# Allegro board meta_carrier_lay_rev1.brd (continued)
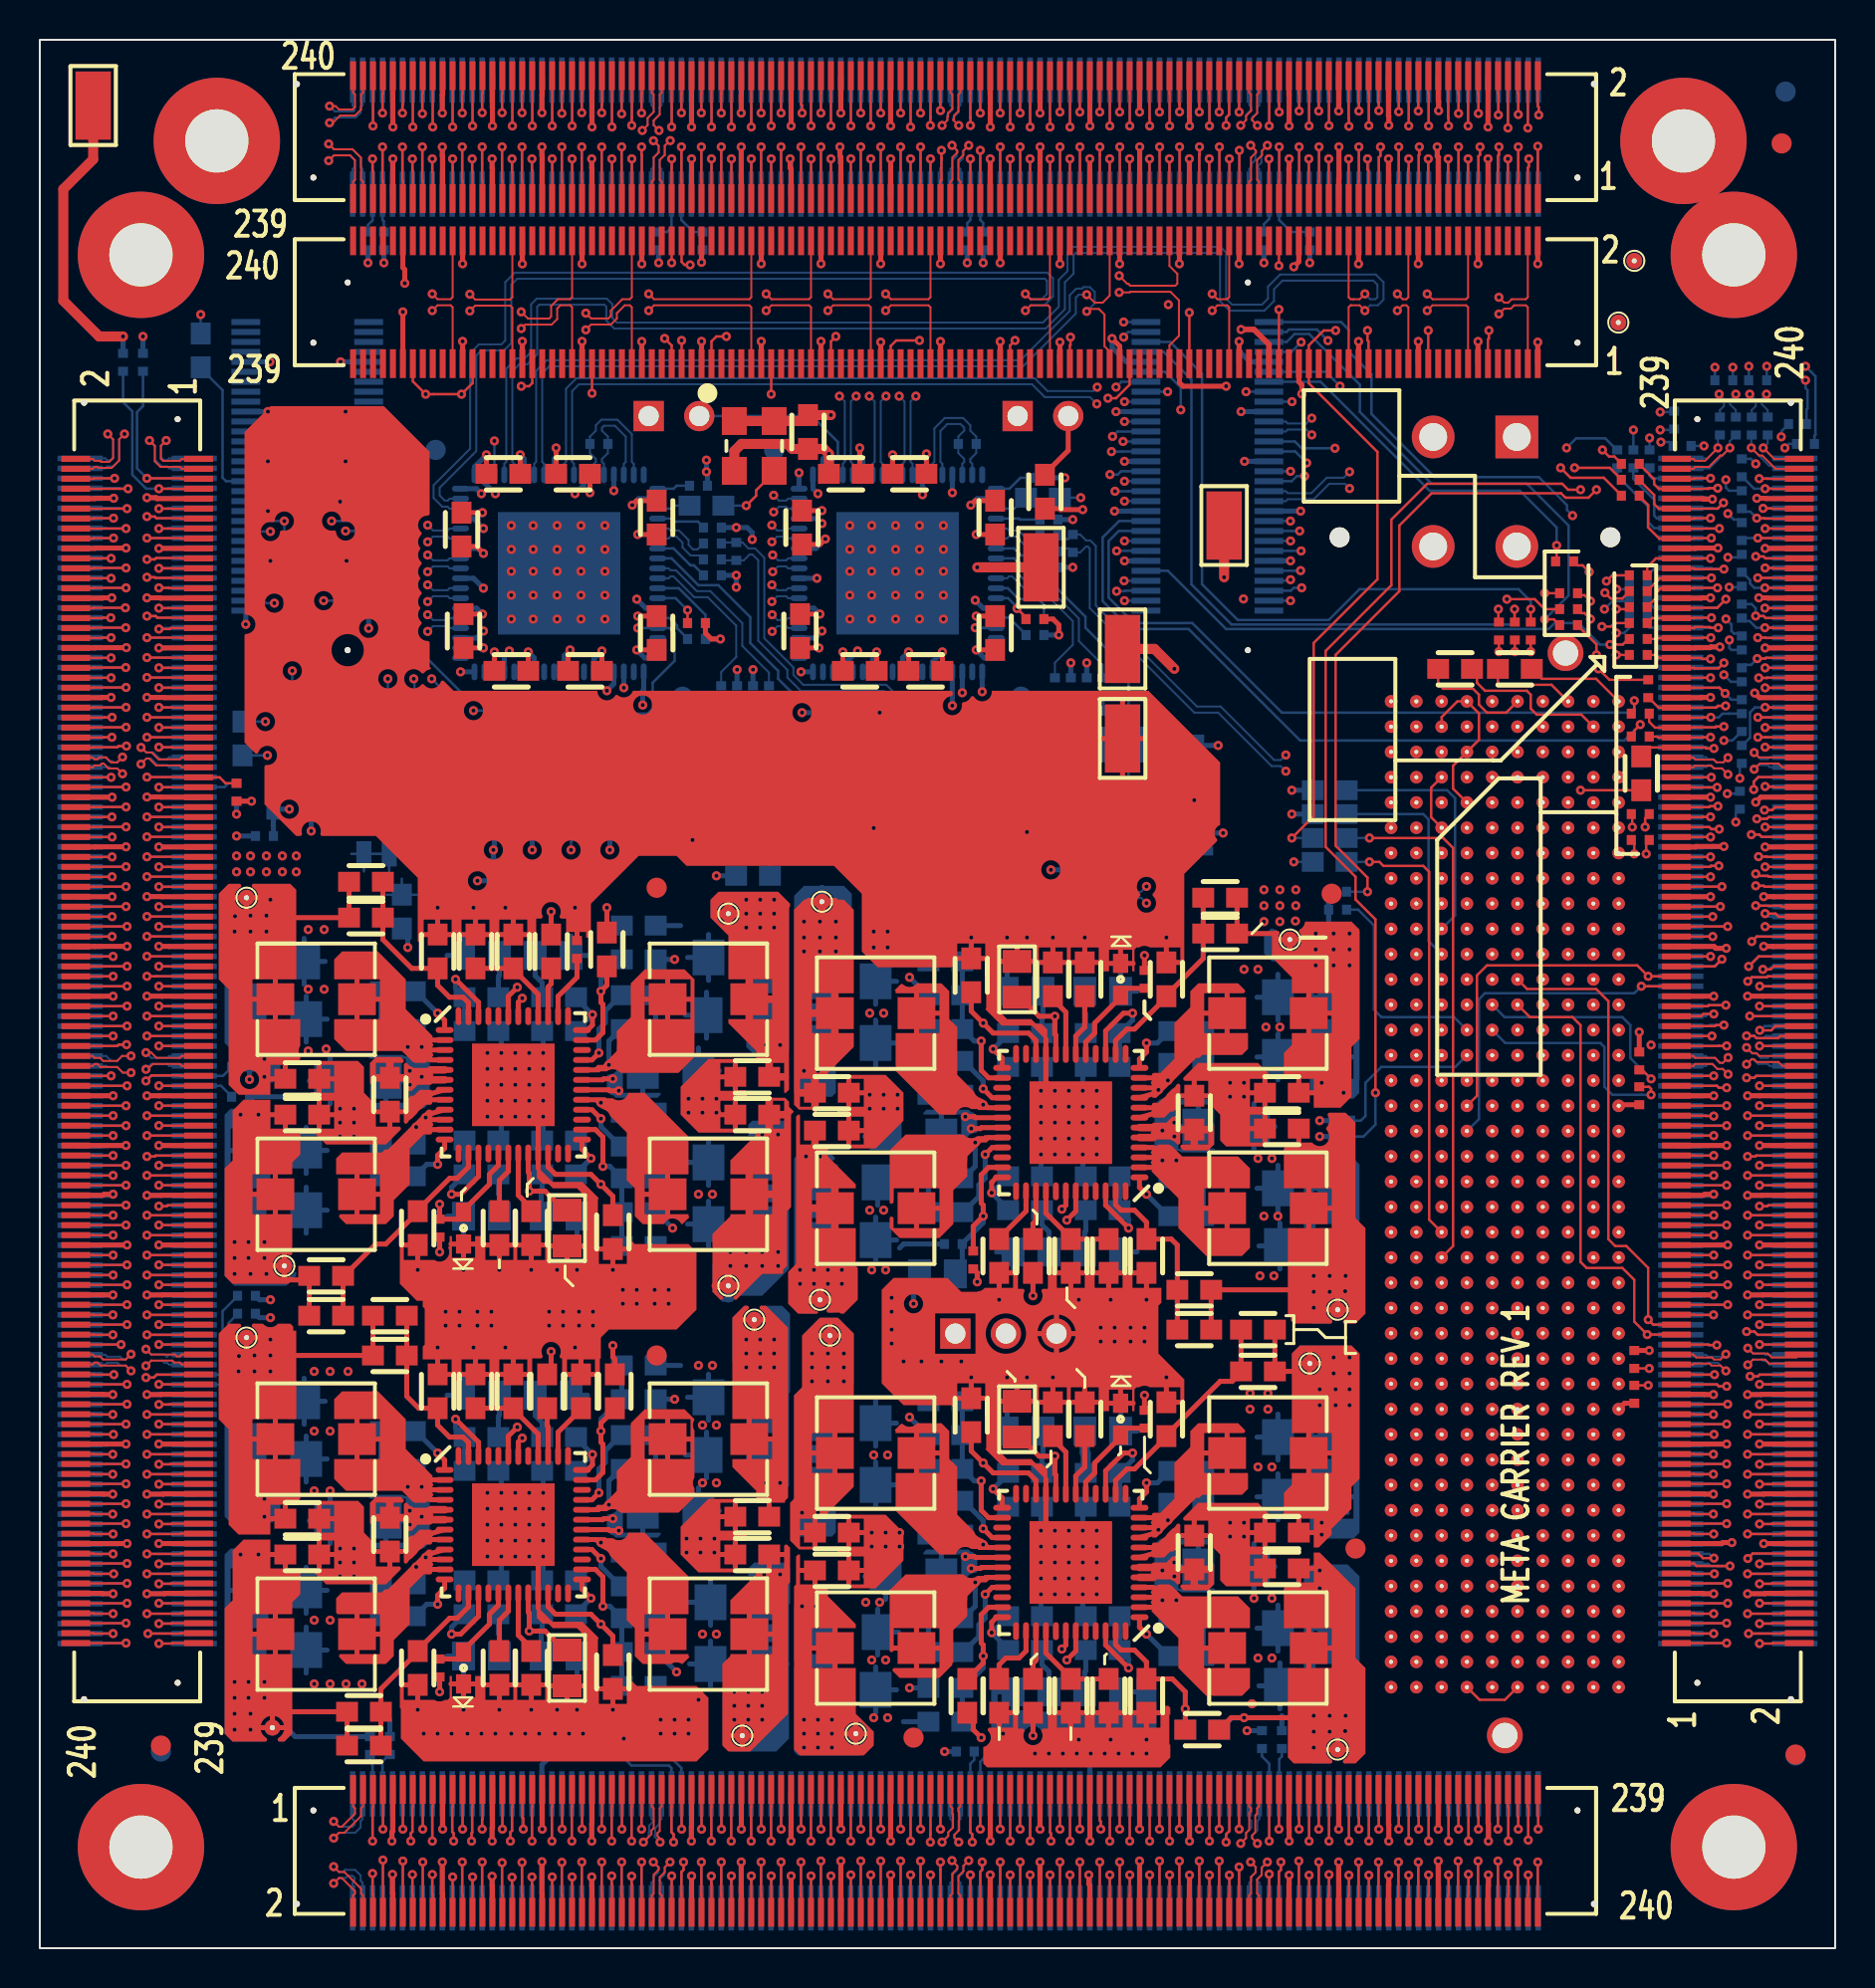
[diagram p0: board, top side]
## Nets (continued)
NO_DATA_OUT_N1: J1.216(36) J11.216(36)
NO_DATA_OUT_N2: J1.210(30) J11.210(30)
NO_DATA_OUT_N3: J1.206(26) J11.206(26)
NO_DATA_OUT_N4: J1.200(20) J11.200(20)
NO_DATA_OUT_N5: J1.196(16) J11.196(16)
NO_DATA_OUT_N6: J1.190(10) J11.190(10)
NO_DATA_OUT_N7: J1.186(6) J11.186(6)
NO_DATA_OUT_N8: J1.160(40) J11.160(40)
NO_DATA_OUT_N9: J1.156(36) J11.156(36)
NO_DATA_OUT_N10: J1.150(30) J11.150(30)
NO_DATA_OUT_N11: J1.146(26) J11.146(26)
NO_DATA_OUT_N12: J1.140(20) J11.140(20)
NO_DATA_OUT_N13: J1.136(16) J11.136(16)
NO_DATA_OUT_N14: J1.130(10) J11.130(10)
NO_DATA_OUT_N15: J1.126(6) J11.126(6)
NO_DATA_OUT_N16: J1.100(40) J11.100(40)
NO_DATA_OUT_N17: J1.96(36) J11.96(36)
NO_DATA_OUT_N18: J1.90(30) J11.90(30)
NO_DATA_OUT_N19: J1.86(26) J11.86(26)
NO_DATA_OUT_N20: J1.80(20) J11.80(20)
NO_DATA_OUT_N21: J1.76(16) J11.76(16)
NO_DATA_OUT_N22: J1.70(10) J11.70(10)
NO_DATA_OUT_N23: J1.66(6) J11.66(6)
NO_DATA_OUT_N24: J1.40 J11.40
NO_DATA_OUT_N25: J1.36 J11.36
NO_DATA_OUT_N26: J1.30 J11.30
NO_DATA_OUT_N27: J1.26 J11.26
NO_DATA_OUT_N28: J1.20 J11.20
NO_DATA_OUT_N29: J1.16 J11.16
NO_DATA_OUT_N30: J1.10 J11.10
NO_DATA_OUT_N31: J1.6 J11.6
NO_DATA_OUT_P0: J1.218(38) J11.218(38)
NO_DATA_OUT_P1: J1.214(34) J11.214(34)
NO_DATA_OUT_P2: J1.208(28) J11.208(28)
NO_DATA_OUT_P3: J1.204(24) J11.204(24)
NO_DATA_OUT_P4: J1.198(18) J11.198(18)
NO_DATA_OUT_P5: J1.194(14) J11.194(14)
NO_DATA_OUT_P6: J1.188(8) J11.188(8)
NO_DATA_OUT_P7: J1.184(4) J11.184(4)
NO_DATA_OUT_P8: J1.158(38) J11.158(38)
NO_DATA_OUT_P9: J1.154(34) J11.154(34)
NO_DATA_OUT_P10: J1.148(28) J11.148(28)
NO_DATA_OUT_P11: J1.144(24) J11.144(24)
NO_DATA_OUT_P12: J1.138(18) J11.138(18)
NO_DATA_OUT_P13: J1.134(14) J11.134(14)
NO_DATA_OUT_P14: J1.128(8) J11.128(8)
NO_DATA_OUT_P15: J1.124(4) J11.124(4)
NO_DATA_OUT_P16: J1.98(38) J11.98(38)
NO_DATA_OUT_P17: J1.94(34) J11.94(34)
NO_DATA_OUT_P18: J1.88(28) J11.88(28)
NO_DATA_OUT_P19: J1.84(24) J11.84(24)
NO_DATA_OUT_P20: J1.78(18) J11.78(18)
NO_DATA_OUT_P21: J1.74(14) J11.74(14)
NO_DATA_OUT_P22: J1.68(8) J11.68(8)
NO_DATA_OUT_P23: J1.64(4) J11.64(4)
NO_DATA_OUT_P24: J1.38 J11.38
NO_DATA_OUT_P25: J1.34 J11.34
NO_DATA_OUT_P26: J1.28 J11.28
NO_DATA_OUT_P27: J1.24 J11.24
NO_DATA_OUT_P28: J1.18 J11.18
NO_DATA_OUT_P29: J1.14 J11.14
NO_DATA_OUT_P30: J1.8 J11.8
NO_DATA_OUT_P31: J1.4 J11.4
NO_FRAME_IN_N0: J1.235(55) J11.235(55) R133.1
NO_FRAME_IN_N1: J1.175(55) J11.175(55) R98.1
NO_FRAME_IN_N2: J1.115(55) J11.115(55) R76.1
NO_FRAME_IN_N3: J1.55 J11.55 R52.1
NO_FRAME_IN_P0: J1.233(53) J11.233(53) R131.2
NO_FRAME_IN_P1: J1.173(53) J11.173(53) R97.2
NO_FRAME_IN_P2: J1.113(53) J11.113(53) R75.2
NO_FRAME_IN_P3: J1.53 J11.53 R50.2
NO_FRAME_OUT_N0: J1.236(56) J11.236(56)
NO_FRAME_OUT_N1: J1.176(56) J11.176(56)
NO_FRAME_OUT_N2: J1.116(56) J11.116(56)
NO_FRAME_OUT_N3: J1.56 J11.56
NO_FRAME_OUT_P0: J1.234(54) J11.234(54)
NO_FRAME_OUT_P1: J1.174(54) J11.174(54)
NO_FRAME_OUT_P2: J1.114(54) J11.114(54)
NO_FRAME_OUT_P3: J1.54 J11.54
NO_LCLK_IN_N0: J1.239(59) J11.239(59)
NO_LCLK_IN_N1: J1.179(59) J11.179(59)
NO_LCLK_IN_N2: J1.119(59) J11.119(59)
NO_LCLK_IN_N3: J1.59 J11.59
NO_LCLK_IN_P0: J1.237(57) J11.237(57)
NO_LCLK_IN_P1: J1.177(57) J11.177(57)
NO_LCLK_IN_P2: J1.117(57) J11.117(57)
NO_LCLK_IN_P3: J1.57 J11.57
NO_LCLK_OUT_N0: J1.240(60) J11.240(60)
NO_LCLK_OUT_N1: J1.180(60) J11.180(60)
NO_LCLK_OUT_N2: J1.120(60) J11.120(60)
NO_LCLK_OUT_N3: J1.60 J11.60
NO_LCLK_OUT_P0: J1.238(58) J11.238(58)
NO_LCLK_OUT_P1: J1.178(58) J11.178(58)
NO_LCLK_OUT_P2: J1.118(58) J11.118(58)
NO_LCLK_OUT_P3: J1.58 J11.58
NO_WAIT_RD_IN_N0: J1.226(46) J11.226(46)
NO_WAIT_RD_IN_N1: J1.166(46) J11.166(46)
NO_WAIT_RD_IN_N2: J1.106(46) J11.106(46)
NO_WAIT_RD_IN_N3: J1.46 J11.46
NO_WAIT_RD_IN_P0: J1.224(44) J11.224(44)
NO_WAIT_RD_IN_P1: J1.164(44) J11.164(44)
NO_WAIT_RD_IN_P2: J1.104(44) J11.104(44)
NO_WAIT_RD_IN_P3: J1.44 J11.44
NO_WAIT_RD_OUT_N0: J1.225(45) J11.225(45)
NO_WAIT_RD_OUT_N1: J1.165(45) J11.165(45)
NO_WAIT_RD_OUT_N2: J1.105(45) J11.105(45)
NO_WAIT_RD_OUT_N3: J1.45 J11.45
NO_WAIT_RD_OUT_P0: J1.223(43) J11.223(43)
NO_WAIT_RD_OUT_P1: J1.163(43) J11.163(43)
NO_WAIT_RD_OUT_P2: J1.103(43) J11.103(43)
NO_WAIT_RD_OUT_P3: J1.43 J11.43
NO_WAIT_WR_IN_N0: J1.230(50) J11.230(50)
NO_WAIT_WR_IN_N1: J1.170(50) J11.170(50)
NO_WAIT_WR_IN_N2: J1.110(50) J11.110(50)
NO_WAIT_WR_IN_N3: J1.50 J11.50
NO_WAIT_WR_IN_P0: J1.228(48) J11.228(48)
NO_WAIT_WR_IN_P1: J1.168(48) J11.168(48)
NO_WAIT_WR_IN_P2: J1.108(48) J11.108(48)
NO_WAIT_WR_IN_P3: J1.48 J11.48
NO_WAIT_WR_OUT_N0: J1.229(49) J11.229(49)
NO_WAIT_WR_OUT_N1: J1.169(49) J11.169(49)
NO_WAIT_WR_OUT_N2: J1.109(49) J11.109(49)
NO_WAIT_WR_OUT_N3: J1.49 J11.49
NO_WAIT_WR_OUT_P0: J1.227(47) J11.227(47)
NO_WAIT_WR_OUT_P1: J1.167(47) J11.167(47)
NO_WAIT_WR_OUT_P2: J1.107(47) J11.107(47)
NO_WAIT_WR_OUT_P3: J1.47 J11.47
OSC_CTRL_CLOCK: C81.1 R55.2 U7.8(OSC_CTRL)
OSC_CTRL_CLOCK1: C122.1 R90.2 U10.8(OSC_CTRL)
OSC_IN_1_CLOCK: C87.1 R64.1 U6.5(ON)
OSC_IN_1_CLOCK1: C132.1 R91.1 U8.5(ON)
OSC_IN_B1_CLOCK: C97.1 R68.2 U6.4(OP)
OSC_IN_B1_CLOCK1: C142.1 R95.2 U8.4(OP)
OSC_IN_B_CLOCK: C97.2 U7.10(OSC_IN_B)
OSC_IN_B_CLOCK1: C142.2 U10.10(OSC_IN_B)
OSC_IN_CLOCK: C87.2 U7.9(OSC_IN)
OSC_IN_CLOCK1: C132.2 U10.9(OSC_IN)
PC0: J2.5
PC1: J2.6
PC2: J2.7
PC3: J2.8
PC4: J2.9
PC5: J2.10
PC6: J2.17
PC7: J2.18
PC8: J2.19
PC9: J2.20
PC10: J2.21
PC11: J2.22
PC12: J2.29
PC13: J2.30
PC14: J2.31
PC15: J2.32
PC16: J2.33
PC17: J2.34
PC18: J2.41
PC19: J2.42
PC20: J2.43
PC21: J2.44
PC22: J2.45
PC23: J2.46
PC24: J2.51
PC25: J2.52
PC26: J2.65(5)
PC27: J2.66(6)
PC28: J2.67(7)
PC29: J2.68(8)
PC30: J2.69(9)
PC31: J2.70(10)
PC32: J2.77(17)
PC33: J2.78(18)
PC34: J2.79(19)
PC35: J2.80(20)
PC36: J2.81(21)
PC37: J2.82(22)
PC38: J2.89(29)
PC39: J2.90(30)
PC40: J2.91(31)
PC41: J2.92(32)
PC42: J2.93(33)
PC43: J2.94(34)
PC44: J2.101(41)
PC45: J2.102(42)
PC46: J2.103(43)
PC47: J2.104(44)
PC48: J2.105(45)
PC49: J2.106(46)
PC50: J2.111(51)
PC51: J2.112(52)
PC52: J2.125(5)
PC53: J2.126(6)
PC54: J2.127(7)
PC55: J2.128(8)
PC56: J2.129(9)
PC57: J2.130(10)
PC58: J2.137(17)
PC59: J2.138(18)
PC60: J2.139(19)
PC61: J2.140(20)
PC62: J2.141(21)
PC63: J2.142(22)
PC64: J2.149(29)
PC65: J2.150(30)
PC66: J2.151(31)
PC67: J2.152(32)
PC68: J2.153(33)
PC69: J2.154(34)
PC70: J2.161(41)
PC71: J2.162(42)
PC72: J2.163(43)
PC73: J2.164(44)
PC74: J2.165(45)
PC75: J2.166(46)
PC76: J2.171(51)
PC77: J2.172(52)
PC78: J2.185(5)
PC79: J2.186(6)
PC80: J2.187(7)
PC81: J2.188(8)
PC82: J2.189(9)
PC83: J2.190(10)
PC84: J2.197(17)
PC85: J2.198(18)
PC86: J2.199(19)
PC87: J2.200(20)
PC88: J2.201(21)
PC89: J2.202(22)
PC90: J2.209(29)
PC91: J2.210(30)
PC92: J2.211(31)
PC93: J2.212(32)
PC94: J2.213(33)
PC95: J2.214(34)
PC96: J2.221(41)
PC97: J2.222(42)
PC98: J2.223(43)
PC99: J2.224(44)
PC100: J2.225(45)
PC101: J2.226(46)
PC102: J2.231(51)
PC103: J2.232(52)
PGOOD: CR2.2(A) R17.1 U2.17(PGOOD) U7.19(RESET_B) U10.19(RESET_B)
PGOOD_LOOPBACK: P1.D1(PG_C2M) P1.F1(PG_M2C)
PGOOD_Q2: CR3.2(A) R33.1 U5.17(PGOOD)
PGOOD_Q4: CR4.2(A) R36.1 U4.17(PGOOD)
PGOOD_Q8: CR1.2(A) R12.1 U3.17(PGOOD)
Q0_VDD: C20.1 C29.1 C180.1 C186.1 J1.161(41) J1.162(42) J1.221(41) J1.222(42) J3.19 J3.20 J3.79(19) J3.80(20) J11.161(41) J11.162(42) J11.221(41) J11.222(42) J15.19 J15.20 J15.79(19) J15.80(20) L1.2 R6.2 TP3.1(TP)
Q0_VDDIO: C34.1 C43.1 C181.1 C182.1 J1.141(21) J1.142(22) J1.201(21) J1.202(22) J3.39 J3.40 J3.99(39) J3.100(40) J11.141(21) J11.142(22) J11.201(21) J11.202(22) J15.39 J15.40 J15.99(39) J15.100(40) L5.2 R5.2 R23.2 R98.2 R133.2 R143.2 TP7.1(TP)
Q1_VDD: C36.1 C44.1 C71.1 C75.1 J1.41 J1.42 J1.101(41) J1.102(42) J4.161(41) J4.162(42) J4.221(41) J4.222(42) J6.161(41) J6.162(42) J6.221(41) J6.222(42) J11.41 J11.42 J11.101(41) J11.102(42) L8.2 R25.2 TP10.1(TP)
Q1_VDDIO: C21.1 C31.1 C73.1 C74.1 J1.21 J1.22 J1.81(21) J1.82(22) J4.141(21) J4.142(22) J4.201(21) J4.202(22) J6.141(21) J6.142(22) J6.201(21) J6.202(22) J11.21 J11.22 J11.81(21) J11.82(22) L4.2 R7.2 R44.2 R45.2 R52.2 R76.2 TP6.1(TP)
Q2_VDD: C45.1 C54.1 C183.1 C187.1 J3.139(19) J3.140(20) J3.199(19) J3.200(20) J5.19 J5.20 J5.79(19) J5.80(20) J12.19 J12.20 J12.79(19) J12.80(20) J15.139(19) J15.140(20) J15.199(19) J15.200(20) L9.2 R24.2 TP13.1(TP)
Q2_VDDIO: C59.1 C69.1 C184.1 C185.1 J3.159(39) J3.160(40) J3.219(39) J3.220(40) J5.39 J5.40 J5.99(39) J5.100(40) J12.39 J12.40 J12.99(39) J12.100(40) J15.159(39) J15.160(40) J15.219(39) J15.220(40) L13.2 R41.2 R112.2 R132.2 R136.2 R139.2 TP18.1(TP)
Q3_VDD: C61.1 C70.1 C72.1 C78.1 J4.41 J4.42 J4.101(41) J4.102(42) J5.139(19) J5.140(20) J5.199(19) J5.200(20) J6.41 J6.42 J6.101(41) J6.102(42) J12.139(19) J12.140(20) J12.199(19) J12.200(20) L16.2 R54.2 TP17.1(TP)
Q3_VDDIO: C46.1 C56.1 C76.1 C77.1 J4.21 J4.22 J4.81(21) J4.82(22) J5.159(39) J5.160(40) J5.219(39) J5.220(40) J6.21 J6.22 J6.81(21) J6.82(22) J12.159(39) J12.160(40) J12.219(39) J12.220(40) L12.2 R14.2 R26.2 R27.2 R53.2 R78.2 TP14.1(TP)
RCLOCK_Q1: C23.1 R10.2 U2.40(RCLOCK_SYNC)
RCLOCK_Q2: C68.1 R39.2 U5.40(RCLOCK_SYNC)
RCLOCK_Q4: C47.1 R29.2 U4.40(RCLOCK_SYNC)
RCLOCK_Q8: C42.1 R20.2 U3.40(RCLOCK_SYNC)
REFA: R69.1 R96.1 U1.3(OUT)
REFA_B_CLOCK: C98.1 U7.4(REFA_B)
REFA_B_CLOCK1: C143.1 U10.4(REFA_B)
REFB_1_CLOCK: C99.1 U7.5(REFB)
REFB_1_CLOCK1: C144.1 U10.5(REFB)
REFB_B1_CLOCK: C100.1 U7.6(REFB_B)
REFB_B1_CLOCK1: C145.1 U10.6(REFB_B)
RESETB: J2.11 J2.23 J2.35 J2.47 J2.71(11) J2.83(23) J2.95(35) J2.107(47) J2.131(11) J2.143(23) J2.155(35) J2.167(47) J2.191(11) J2.203(23) J2.215(35) J2.227(47) R3.1 R48.1 R138.1 R142.1
ROWID0: J14.14
ROWID1: J14.16
ROWID2: J2.173(53) J14.18 U12.2
ROWID3: J2.175(55) J14.20 U12.1
RST_N_Q1: R11.1 U2.39(RST_N)
RST_N_Q2: R38.1 U5.39(RST_N)
RST_N_Q4: R30.1 U4.39(RST_N)
RST_N_Q8: R19.1 U3.39(RST_N)
SCL: J10.2 R47.1 R135.2 U2.43(SCL) U3.43(SCL) U4.43(SCL) U5.43(SCL) U7.21(SCL) U10.21(SCL) U13.2(S)
SCL_5V: J14.3(03) R134.1
SDA: J10.1 R46.1 R120.2 U2.42(SDA) U3.42(SDA) U4.42(SDA) U5.42(SDA) U7.22(SDA) U10.22(SDA) U11.2(S)
SDA_5V: J14.4(04) R119.1
SO_DATA_IN_N0: J5.21 J12.21
SO_DATA_IN_N1: J5.25 J12.25
SO_DATA_IN_N2: J5.31 J12.31
SO_DATA_IN_N3: J5.35 J12.35
SO_DATA_IN_N4: J5.41 J12.41
SO_DATA_IN_N5: J5.45 J12.45
SO_DATA_IN_N6: J5.51 J12.51
SO_DATA_IN_N7: J5.55 J12.55
SO_DATA_IN_N8: J5.81(21) J12.81(21)
SO_DATA_IN_N9: J5.85(25) J12.85(25)
SO_DATA_IN_N10: J5.91(31) J12.91(31)
SO_DATA_IN_N11: J5.95(35) J12.95(35)
SO_DATA_IN_N12: J5.101(41) J12.101(41)
SO_DATA_IN_N13: J5.105(45) J12.105(45)
SO_DATA_IN_N14: J5.111(51) J12.111(51)
SO_DATA_IN_N15: J5.115(55) J12.115(55)
SO_DATA_IN_N16: J5.141(21) J12.141(21)
SO_DATA_IN_N17: J5.145(25) J12.145(25)
SO_DATA_IN_N18: J5.151(31) J12.151(31)
SO_DATA_IN_N19: J5.155(35) J12.155(35)
SO_DATA_IN_N20: J5.161(41) J12.161(41)
SO_DATA_IN_N21: J5.165(45) J12.165(45)
SO_DATA_IN_N22: J5.171(51) J12.171(51)
SO_DATA_IN_N23: J5.175(55) J12.175(55)
SO_DATA_IN_N24: J5.201(21) J12.201(21)
SO_DATA_IN_N25: J5.205(25) J12.205(25)
SO_DATA_IN_N26: J5.211(31) J12.211(31)
SO_DATA_IN_N27: J5.215(35) J12.215(35)
SO_DATA_IN_N28: J5.221(41) J12.221(41)
SO_DATA_IN_N29: J5.225(45) J12.225(45)
SO_DATA_IN_N30: J5.231(51) J12.231(51)
SO_DATA_IN_N31: J5.235(55) J12.235(55)
SO_DATA_IN_P0: J5.23 J12.23
SO_DATA_IN_P1: J5.27 J12.27
SO_DATA_IN_P2: J5.33 J12.33
SO_DATA_IN_P3: J5.37 J12.37
SO_DATA_IN_P4: J5.43 J12.43
SO_DATA_IN_P5: J5.47 J12.47
SO_DATA_IN_P6: J5.53 J12.53
SO_DATA_IN_P7: J5.57 J12.57
SO_DATA_IN_P8: J5.83(23) J12.83(23)
SO_DATA_IN_P9: J5.87(27) J12.87(27)
SO_DATA_IN_P10: J5.93(33) J12.93(33)
SO_DATA_IN_P11: J5.97(37) J12.97(37)
SO_DATA_IN_P12: J5.103(43) J12.103(43)
SO_DATA_IN_P13: J5.107(47) J12.107(47)
SO_DATA_IN_P14: J5.113(53) J12.113(53)
SO_DATA_IN_P15: J5.117(57) J12.117(57)
SO_DATA_IN_P16: J5.143(23) J12.143(23)
SO_DATA_IN_P17: J5.147(27) J12.147(27)
SO_DATA_IN_P18: J5.153(33) J12.153(33)
SO_DATA_IN_P19: J5.157(37) J12.157(37)
SO_DATA_IN_P20: J5.163(43) J12.163(43)
SO_DATA_IN_P21: J5.167(47) J12.167(47)
SO_DATA_IN_P22: J5.173(53) J12.173(53)
SO_DATA_IN_P23: J5.177(57) J12.177(57)
SO_DATA_IN_P24: J5.203(23) J12.203(23)
SO_DATA_IN_P25: J5.207(27) J12.207(27)
SO_DATA_IN_P26: J5.213(33) J12.213(33)
SO_DATA_IN_P27: J5.217(37) J12.217(37)
SO_DATA_IN_P28: J5.223(43) J12.223(43)
SO_DATA_IN_P29: J5.227(47) J12.227(47)
SO_DATA_IN_P30: J5.233(53) J12.233(53)
SO_DATA_IN_P31: J5.237(57) J12.237(57)
SO_DATA_OUT_N0: J5.22 J12.22
SO_DATA_OUT_N1: J5.26 J12.26
SO_DATA_OUT_N2: J5.32 J12.32
SO_DATA_OUT_N3: J5.36 J12.36
SO_DATA_OUT_N4: J5.42 J12.42
SO_DATA_OUT_N5: J5.46 J12.46
SO_DATA_OUT_N6: J5.52 J12.52
SO_DATA_OUT_N7: J5.56 J12.56
SO_DATA_OUT_N8: J5.82(22) J12.82(22)
SO_DATA_OUT_N9: J5.86(26) J12.86(26)
SO_DATA_OUT_N10: J5.92(32) J12.92(32)
SO_DATA_OUT_N11: J5.96(36) J12.96(36)
SO_DATA_OUT_N12: J5.102(42) J12.102(42)
SO_DATA_OUT_N13: J5.106(46) J12.106(46)
SO_DATA_OUT_N14: J5.112(52) J12.112(52)
SO_DATA_OUT_N15: J5.116(56) J12.116(56)
SO_DATA_OUT_N16: J5.142(22) J12.142(22)
SO_DATA_OUT_N17: J5.146(26) J12.146(26)
SO_DATA_OUT_N18: J5.152(32) J12.152(32)
SO_DATA_OUT_N19: J5.156(36) J12.156(36)
SO_DATA_OUT_N20: J5.162(42) J12.162(42)
SO_DATA_OUT_N21: J5.166(46) J12.166(46)
SO_DATA_OUT_N22: J5.172(52) J12.172(52)
SO_DATA_OUT_N23: J5.176(56) J12.176(56)
SO_DATA_OUT_N24: J5.202(22) J12.202(22)
SO_DATA_OUT_N25: J5.206(26) J12.206(26)
SO_DATA_OUT_N26: J5.212(32) J12.212(32)
SO_DATA_OUT_N27: J5.216(36) J12.216(36)
SO_DATA_OUT_N28: J5.222(42) J12.222(42)
SO_DATA_OUT_N29: J5.226(46) J12.226(46)
SO_DATA_OUT_N30: J5.232(52) J12.232(52)
SO_DATA_OUT_N31: J5.236(56) J12.236(56)
SO_DATA_OUT_P0: J5.24 J12.24
SO_DATA_OUT_P1: J5.28 J12.28
SO_DATA_OUT_P2: J5.34 J12.34
SO_DATA_OUT_P3: J5.38 J12.38
SO_DATA_OUT_P4: J5.44 J12.44
SO_DATA_OUT_P5: J5.48 J12.48
SO_DATA_OUT_P6: J5.54 J12.54
SO_DATA_OUT_P7: J5.58 J12.58
SO_DATA_OUT_P8: J5.84(24) J12.84(24)
SO_DATA_OUT_P9: J5.88(28) J12.88(28)
SO_DATA_OUT_P10: J5.94(34) J12.94(34)
SO_DATA_OUT_P11: J5.98(38) J12.98(38)
SO_DATA_OUT_P12: J5.104(44) J12.104(44)
SO_DATA_OUT_P13: J5.108(48) J12.108(48)
SO_DATA_OUT_P14: J5.114(54) J12.114(54)
SO_DATA_OUT_P15: J5.118(58) J12.118(58)
SO_DATA_OUT_P16: J5.144(24) J12.144(24)
SO_DATA_OUT_P17: J5.148(28) J12.148(28)
SO_DATA_OUT_P18: J5.154(34) J12.154(34)
SO_DATA_OUT_P19: J5.158(38) J12.158(38)
SO_DATA_OUT_P20: J5.164(44) J12.164(44)
SO_DATA_OUT_P21: J5.168(48) J12.168(48)
SO_DATA_OUT_P22: J5.174(54) J12.174(54)
SO_DATA_OUT_P23: J5.178(58) J12.178(58)
SO_DATA_OUT_P24: J5.204(24) J12.204(24)
SO_DATA_OUT_P25: J5.208(28) J12.208(28)
SO_DATA_OUT_P26: J5.214(34) J12.214(34)
SO_DATA_OUT_P27: J5.218(38) J12.218(38)
SO_DATA_OUT_P28: J5.224(44) J12.224(44)
SO_DATA_OUT_P29: J5.228(48) J12.228(48)
SO_DATA_OUT_P30: J5.234(54) J12.234(54)
SO_DATA_OUT_P31: J5.238(58) J12.238(58)
SO_FRAME_IN_N0: J5.5 J12.5 R132.1
SO_FRAME_IN_N1: J5.65(5) J12.65(5) R112.1
SO_FRAME_IN_N2: J5.125(5) J12.125(5) R78.1
SO_FRAME_IN_N3: J5.185(5) J12.185(5) R53.1
SO_FRAME_IN_P0: J5.7 J12.7 R130.2
SO_FRAME_IN_P1: J5.67(7) J12.67(7) R111.2
SO_FRAME_IN_P2: J5.127(7) J12.127(7) R74.2
SO_FRAME_IN_P3: J5.187(7) J12.187(7) R51.2
SO_FRAME_OUT_N0: J5.6 J12.6
SO_FRAME_OUT_N1: J5.66(6) J12.66(6)
SO_FRAME_OUT_N2: J5.126(6) J12.126(6)
SO_FRAME_OUT_N3: J5.186(6) J12.186(6)
SO_FRAME_OUT_P0: J5.8 J12.8
SO_FRAME_OUT_P1: J5.68(8) J12.68(8)
SO_FRAME_OUT_P2: J5.128(8) J12.128(8)
SO_FRAME_OUT_P3: J5.188(8) J12.188(8)
SO_LCLK_IN_N0: J5.1 J12.1
SO_LCLK_IN_N1: J5.61(1) J12.61(1)
SO_LCLK_IN_N2: J5.121(1) J12.121(1)
SO_LCLK_IN_N3: J5.181(1) J12.181(1)
SO_LCLK_IN_P0: J5.3 J12.3
SO_LCLK_IN_P1: J5.63(3) J12.63(3)
SO_LCLK_IN_P2: J5.123(3) J12.123(3)
SO_LCLK_IN_P3: J5.183(3) J12.183(3)
SO_LCLK_OUT_N0: J5.2 J12.2
SO_LCLK_OUT_N1: J5.62(2) J12.62(2)
SO_LCLK_OUT_N2: J5.122(2) J12.122(2)
SO_LCLK_OUT_N3: J5.182(2) J12.182(2)
SO_LCLK_OUT_P0: J5.4 J12.4
SO_LCLK_OUT_P1: J5.64(4) J12.64(4)
SO_LCLK_OUT_P2: J5.124(4) J12.124(4)
SO_LCLK_OUT_P3: J5.184(4) J12.184(4)
SO_WAIT_RD_IN_N0: J5.16 J12.16
SO_WAIT_RD_IN_N1: J5.76(16) J12.76(16)
SO_WAIT_RD_IN_N2: J5.136(16) J12.136(16)
SO_WAIT_RD_IN_N3: J5.196(16) J12.196(16)
SO_WAIT_RD_IN_P0: J5.18 J12.18
SO_WAIT_RD_IN_P1: J5.78(18) J12.78(18)
SO_WAIT_RD_IN_P2: J5.138(18) J12.138(18)
SO_WAIT_RD_IN_P3: J5.198(18) J12.198(18)
SO_WAIT_RD_OUT_N0: J5.15 J12.15
SO_WAIT_RD_OUT_N1: J5.75(15) J12.75(15)
SO_WAIT_RD_OUT_N2: J5.135(15) J12.135(15)
SO_WAIT_RD_OUT_N3: J5.195(15) J12.195(15)
SO_WAIT_RD_OUT_P0: J5.17 J12.17
SO_WAIT_RD_OUT_P1: J5.77(17) J12.77(17)
SO_WAIT_RD_OUT_P2: J5.137(17) J12.137(17)
SO_WAIT_RD_OUT_P3: J5.197(17) J12.197(17)
SO_WAIT_WR_IN_N0: J5.12 J12.12
SO_WAIT_WR_IN_N1: J5.72(12) J12.72(12)
SO_WAIT_WR_IN_N2: J5.132(12) J12.132(12)
SO_WAIT_WR_IN_N3: J5.192(12) J12.192(12)
SO_WAIT_WR_IN_P0: J5.14 J12.14
SO_WAIT_WR_IN_P1: J5.74(14) J12.74(14)
SO_WAIT_WR_IN_P2: J5.134(14) J12.134(14)
SO_WAIT_WR_IN_P3: J5.194(14) J12.194(14)
SO_WAIT_WR_OUT_N0: J5.11 J12.11
SO_WAIT_WR_OUT_N1: J5.71(11) J12.71(11)
SO_WAIT_WR_OUT_N2: J5.131(11) J12.131(11)
SO_WAIT_WR_OUT_N3: J5.191(11) J12.191(11)
SO_WAIT_WR_OUT_P0: J5.13 J12.13
SO_WAIT_WR_OUT_P1: J5.73(13) J12.73(13)
SO_WAIT_WR_OUT_P2: J5.133(13) J12.133(13)
SO_WAIT_WR_OUT_P3: J5.193(13) J12.193(13)
SW1_Q1: C174.1 L1.1 U2.2(SW1A) U2.3(SW1B) U2.4(SW1C)
SW1_Q2: C86.1 L16.1 U5.2(SW1A) U5.3(SW1B) U5.4(SW1C)
SW1_Q4: C176.1 L9.1 U4.2(SW1A) U4.3(SW1B) U4.4(SW1C)
SW1_Q8: C84.1 L8.1 U3.2(SW1A) U3.3(SW1B) U3.4(SW1C)
SW2_Q1: C175.1 L5.1 U2.9(SW2A) U2.10(SW2B) U2.11(SW2C)
SW2_Q2: C85.1 L12.1 U5.9(SW2A) U5.10(SW2B) U5.11(SW2C)
SW2_Q4: C177.1 L13.1 U4.9(SW2A) U4.10(SW2B) U4.11(SW2C)
SW2_Q8: C83.1 L4.1 U3.9(SW2A) U3.10(SW2B) U3.11(SW2C)
SW3_Q1: C153.1 L6.1 U2.29(SW3)
SW3_Q2: C117.1 L11.1 U5.29(SW3)
SW3_Q4: C156.1 L14.1 U4.29(SW3)
SW3_Q8: C114.1 L3.1 U3.29(SW3)
SW4_Q1: C152.1 L2.1 U2.32(SW4)
SW4_Q2: C118.1 L15.1 U5.32(SW4)
SW4_Q4: C155.1 L10.1 U4.32(SW4)
SW4_Q8: C115.1 L7.1 U3.32(SW4)
VFB1_Q1: C20.2 R6.1 R9.1 U2.47(VFB1)
VFB1_Q2: C70.2 R40.1 R54.1 U5.47(VFB1)
VFB1_Q4: C45.2 R24.1 R28.1 U4.47(VFB1)
VFB1_Q8: C44.2 R21.1 R25.1 U3.47(VFB1)
VFB2_Q1: C43.2 R16.1 R23.1 U2.14(VFB2)
VFB2_Q2: C46.2 R26.1 R34.1 U5.14(VFB2)
VFB2_Q4: C69.2 R35.1 R41.1 U4.14(VFB2)
VFB2_Q8: C21.2 R7.1 R13.1 U3.14(VFB2)
VREF_A_M2C: P1.H1(VREF_A_M2C)
VREF_B_M2C: P1.K1(VREF_B_M2C)
WE_DATA_IN_N0: J3.21 J15.21
WE_DATA_IN_N1: J3.25 J15.25
WE_DATA_IN_N2: J3.31 J15.31
WE_DATA_IN_N3: J3.35 J15.35
WE_DATA_IN_N4: J3.41 J15.41
WE_DATA_IN_N5: J3.45 J15.45
WE_DATA_IN_N6: J3.51 J15.51
WE_DATA_IN_N7: J3.55 J15.55
WE_DATA_IN_N8: J3.81(21) J15.81(21)
WE_DATA_IN_N9: J3.85(25) J15.85(25)
WE_DATA_IN_N10: J3.91(31) J15.91(31)
WE_DATA_IN_N11: J3.95(35) J15.95(35)
WE_DATA_IN_N12: J3.101(41) J15.101(41)
WE_DATA_IN_N13: J3.105(45) J15.105(45)
WE_DATA_IN_N14: J3.111(51) J15.111(51)
WE_DATA_IN_N15: J3.115(55) J15.115(55)
WE_DATA_IN_N16: J3.141(21) J15.141(21)
WE_DATA_IN_N17: J3.145(25) J15.145(25)
WE_DATA_IN_N18: J3.151(31) J15.151(31)
WE_DATA_IN_N19: J3.155(35) J15.155(35)
WE_DATA_IN_N20: J3.161(41) J15.161(41)
WE_DATA_IN_N21: J3.165(45) J15.165(45)
WE_DATA_IN_N22: J3.171(51) J15.171(51)
WE_DATA_IN_N23: J3.175(55) J15.175(55)
WE_DATA_IN_N24: J3.201(21) J15.201(21)
WE_DATA_IN_N25: J3.205(25) J15.205(25)
WE_DATA_IN_N26: J3.211(31) J15.211(31)
WE_DATA_IN_N27: J3.215(35) J15.215(35)
WE_DATA_IN_N28: J3.221(41) J15.221(41)
WE_DATA_IN_N29: J3.225(45) J15.225(45)
WE_DATA_IN_N30: J3.231(51) J15.231(51)
WE_DATA_IN_N31: J3.235(55) J15.235(55)
WE_DATA_IN_P0: J3.23 J15.23
WE_DATA_IN_P1: J3.27 J15.27
WE_DATA_IN_P2: J3.33 J15.33
WE_DATA_IN_P3: J3.37 J15.37
WE_DATA_IN_P4: J3.43 J15.43
WE_DATA_IN_P5: J3.47 J15.47
WE_DATA_IN_P6: J3.53 J15.53
WE_DATA_IN_P7: J3.57 J15.57
WE_DATA_IN_P8: J3.83(23) J15.83(23)
WE_DATA_IN_P9: J3.87(27) J15.87(27)
WE_DATA_IN_P10: J3.93(33) J15.93(33)
WE_DATA_IN_P11: J3.97(37) J15.97(37)
WE_DATA_IN_P12: J3.103(43) J15.103(43)
WE_DATA_IN_P13: J3.107(47) J15.107(47)
WE_DATA_IN_P14: J3.113(53) J15.113(53)
WE_DATA_IN_P15: J3.117(57) J15.117(57)
WE_DATA_IN_P16: J3.143(23) J15.143(23)
WE_DATA_IN_P17: J3.147(27) J15.147(27)
WE_DATA_IN_P18: J3.153(33) J15.153(33)
WE_DATA_IN_P19: J3.157(37) J15.157(37)
WE_DATA_IN_P20: J3.163(43) J15.163(43)
WE_DATA_IN_P21: J3.167(47) J15.167(47)
WE_DATA_IN_P22: J3.173(53) J15.173(53)
WE_DATA_IN_P23: J3.177(57) J15.177(57)
WE_DATA_IN_P24: J3.203(23) J15.203(23)
WE_DATA_IN_P25: J3.207(27) J15.207(27)
WE_DATA_IN_P26: J3.213(33) J15.213(33)
WE_DATA_IN_P27: J3.217(37) J15.217(37)
WE_DATA_IN_P28: J3.223(43) J15.223(43)
WE_DATA_IN_P29: J3.227(47) J15.227(47)
WE_DATA_IN_P30: J3.233(53) J15.233(53)
WE_DATA_IN_P31: J3.237(57) J15.237(57)
WE_DATA_OUT_N0: J3.22 J15.22
WE_DATA_OUT_N1: J3.26 J15.26
WE_DATA_OUT_N2: J3.32 J15.32
WE_DATA_OUT_N3: J3.36 J15.36
WE_DATA_OUT_N4: J3.42 J15.42
WE_DATA_OUT_N5: J3.46 J15.46
WE_DATA_OUT_N6: J3.52 J15.52
WE_DATA_OUT_N7: J3.56 J15.56
WE_DATA_OUT_N8: J3.82(22) J15.82(22)
WE_DATA_OUT_N9: J3.86(26) J15.86(26)
WE_DATA_OUT_N10: J3.92(32) J15.92(32)
WE_DATA_OUT_N11: J3.96(36) J15.96(36)
WE_DATA_OUT_N12: J3.102(42) J15.102(42)
WE_DATA_OUT_N13: J3.106(46) J15.106(46)
WE_DATA_OUT_N14: J3.112(52) J15.112(52)
WE_DATA_OUT_N15: J3.116(56) J15.116(56)
WE_DATA_OUT_N16: J3.142(22) J15.142(22)
WE_DATA_OUT_N17: J3.146(26) J15.146(26)
WE_DATA_OUT_N18: J3.152(32) J15.152(32)
WE_DATA_OUT_N19: J3.156(36) J15.156(36)
WE_DATA_OUT_N20: J3.162(42) J15.162(42)
WE_DATA_OUT_N21: J3.166(46) J15.166(46)
WE_DATA_OUT_N22: J3.172(52) J15.172(52)
WE_DATA_OUT_N23: J3.176(56) J15.176(56)
WE_DATA_OUT_N24: J3.202(22) J15.202(22)
WE_DATA_OUT_N25: J3.206(26) J15.206(26)
WE_DATA_OUT_N26: J3.212(32) J15.212(32)
WE_DATA_OUT_N27: J3.216(36) J15.216(36)
WE_DATA_OUT_N28: J3.222(42) J15.222(42)
WE_DATA_OUT_N29: J3.226(46) J15.226(46)
WE_DATA_OUT_N30: J3.232(52) J15.232(52)
WE_DATA_OUT_N31: J3.236(56) J15.236(56)
WE_DATA_OUT_P0: J3.24 J15.24
WE_DATA_OUT_P1: J3.28 J15.28
WE_DATA_OUT_P2: J3.34 J15.34
WE_DATA_OUT_P3: J3.38 J15.38
WE_DATA_OUT_P4: J3.44 J15.44
WE_DATA_OUT_P5: J3.48 J15.48
WE_DATA_OUT_P6: J3.54 J15.54
WE_DATA_OUT_P7: J3.58 J15.58
WE_DATA_OUT_P8: J3.84(24) J15.84(24)
WE_DATA_OUT_P9: J3.88(28) J15.88(28)
WE_DATA_OUT_P10: J3.94(34) J15.94(34)
WE_DATA_OUT_P11: J3.98(38) J15.98(38)
WE_DATA_OUT_P12: J3.104(44) J15.104(44)
WE_DATA_OUT_P13: J3.108(48) J15.108(48)
WE_DATA_OUT_P14: J3.114(54) J15.114(54)
WE_DATA_OUT_P15: J3.118(58) J15.118(58)
WE_DATA_OUT_P16: J3.144(24) J15.144(24)
WE_DATA_OUT_P17: J3.148(28) J15.148(28)
WE_DATA_OUT_P18: J3.154(34) J15.154(34)
WE_DATA_OUT_P19: J3.158(38) J15.158(38)
WE_DATA_OUT_P20: J3.164(44) J15.164(44)
WE_DATA_OUT_P21: J3.168(48) J15.168(48)
WE_DATA_OUT_P22: J3.174(54) J15.174(54)
WE_DATA_OUT_P23: J3.178(58) J15.178(58)
WE_DATA_OUT_P24: J3.204(24) J15.204(24)
WE_DATA_OUT_P25: J3.208(28) J15.208(28)
WE_DATA_OUT_P26: J3.214(34) J15.214(34)
WE_DATA_OUT_P27: J3.218(38) J15.218(38)
WE_DATA_OUT_P28: J3.224(44) J15.224(44)
WE_DATA_OUT_P29: J3.228(48) J15.228(48)
WE_DATA_OUT_P30: J3.234(54) J15.234(54)
WE_DATA_OUT_P31: J3.238(58) J15.238(58)
WE_FRAME_IN_N0: J3.5 J15.5 R143.1
WE_FRAME_IN_N1: J3.65(5) J15.65(5) R5.1
WE_FRAME_IN_N2: J3.125(5) J15.125(5) R139.1
WE_FRAME_IN_N3: J3.185(5) J15.185(5) R136.1
WE_FRAME_IN_P0: J3.7 J15.7 R144.2
WE_FRAME_IN_P1: J3.67(7) J15.67(7) R141.2
WE_FRAME_IN_P2: J3.127(7) J15.127(7) R140.2
WE_FRAME_IN_P3: J3.187(7) J15.187(7) R137.2
WE_FRAME_OUT_N0: J3.6 J15.6
WE_FRAME_OUT_N1: J3.66(6) J15.66(6)
WE_FRAME_OUT_N2: J3.126(6) J15.126(6)
WE_FRAME_OUT_N3: J3.186(6) J15.186(6)
WE_FRAME_OUT_P0: J3.8 J15.8
WE_FRAME_OUT_P1: J3.68(8) J15.68(8)
WE_FRAME_OUT_P2: J3.128(8) J15.128(8)
WE_FRAME_OUT_P3: J3.188(8) J15.188(8)
WE_LCLK_IN_N0: J3.1 J15.1
WE_LCLK_IN_N1: J3.61(1) J15.61(1)
WE_LCLK_IN_N2: J3.121(1) J15.121(1)
WE_LCLK_IN_N3: J3.181(1) J15.181(1)
WE_LCLK_IN_P0: J3.3 J15.3
WE_LCLK_IN_P1: J3.63(3) J15.63(3)
WE_LCLK_IN_P2: J3.123(3) J15.123(3)
WE_LCLK_IN_P3: J3.183(3) J15.183(3)
WE_LCLK_OUT_N0: J3.2 J15.2
WE_LCLK_OUT_N1: J3.62(2) J15.62(2)
WE_LCLK_OUT_N2: J3.122(2) J15.122(2)
WE_LCLK_OUT_N3: J3.182(2) J15.182(2)
WE_LCLK_OUT_P0: J3.4 J15.4
WE_LCLK_OUT_P1: J3.64(4) J15.64(4)
WE_LCLK_OUT_P2: J3.124(4) J15.124(4)
WE_LCLK_OUT_P3: J3.184(4) J15.184(4)
WE_WAIT_RD_IN_N0: J3.16 J15.16
WE_WAIT_RD_IN_N1: J3.76(16) J15.76(16)
WE_WAIT_RD_IN_N2: J3.136(16) J15.136(16)
WE_WAIT_RD_IN_N3: J3.196(16) J15.196(16)
WE_WAIT_RD_IN_P0: J3.18 J15.18
WE_WAIT_RD_IN_P1: J3.78(18) J15.78(18)
WE_WAIT_RD_IN_P2: J3.138(18) J15.138(18)
WE_WAIT_RD_IN_P3: J3.198(18) J15.198(18)
WE_WAIT_RD_OUT_N0: J3.15 J15.15
WE_WAIT_RD_OUT_N1: J3.75(15) J15.75(15)
WE_WAIT_RD_OUT_N2: J3.135(15) J15.135(15)
WE_WAIT_RD_OUT_N3: J3.195(15) J15.195(15)
WE_WAIT_RD_OUT_P0: J3.17 J15.17
WE_WAIT_RD_OUT_P1: J3.77(17) J15.77(17)
WE_WAIT_RD_OUT_P2: J3.137(17) J15.137(17)
WE_WAIT_RD_OUT_P3: J3.197(17) J15.197(17)
WE_WAIT_WR_IN_N0: J3.12 J15.12
WE_WAIT_WR_IN_N1: J3.72(12) J15.72(12)
WE_WAIT_WR_IN_N2: J3.132(12) J15.132(12)
WE_WAIT_WR_IN_N3: J3.192(12) J15.192(12)
WE_WAIT_WR_IN_P0: J3.14 J15.14
WE_WAIT_WR_IN_P1: J3.74(14) J15.74(14)
WE_WAIT_WR_IN_P2: J3.134(14) J15.134(14)
WE_WAIT_WR_IN_P3: J3.194(14) J15.194(14)
WE_WAIT_WR_OUT_N0: J3.11 J15.11
WE_WAIT_WR_OUT_N1: J3.71(11) J15.71(11)
WE_WAIT_WR_OUT_N2: J3.131(11) J15.131(11)
WE_WAIT_WR_OUT_N3: J3.191(11) J15.191(11)
WE_WAIT_WR_OUT_P0: J3.13 J15.13
WE_WAIT_WR_OUT_P1: J3.73(13) J15.73(13)
WE_WAIT_WR_OUT_P2: J3.133(13) J15.133(13)
WE_WAIT_WR_OUT_P3: J3.193(13) J15.193(13)
